# Altium PCB EVK-IRIS-W1.PcbDoc (part 7 of 9) (continued)
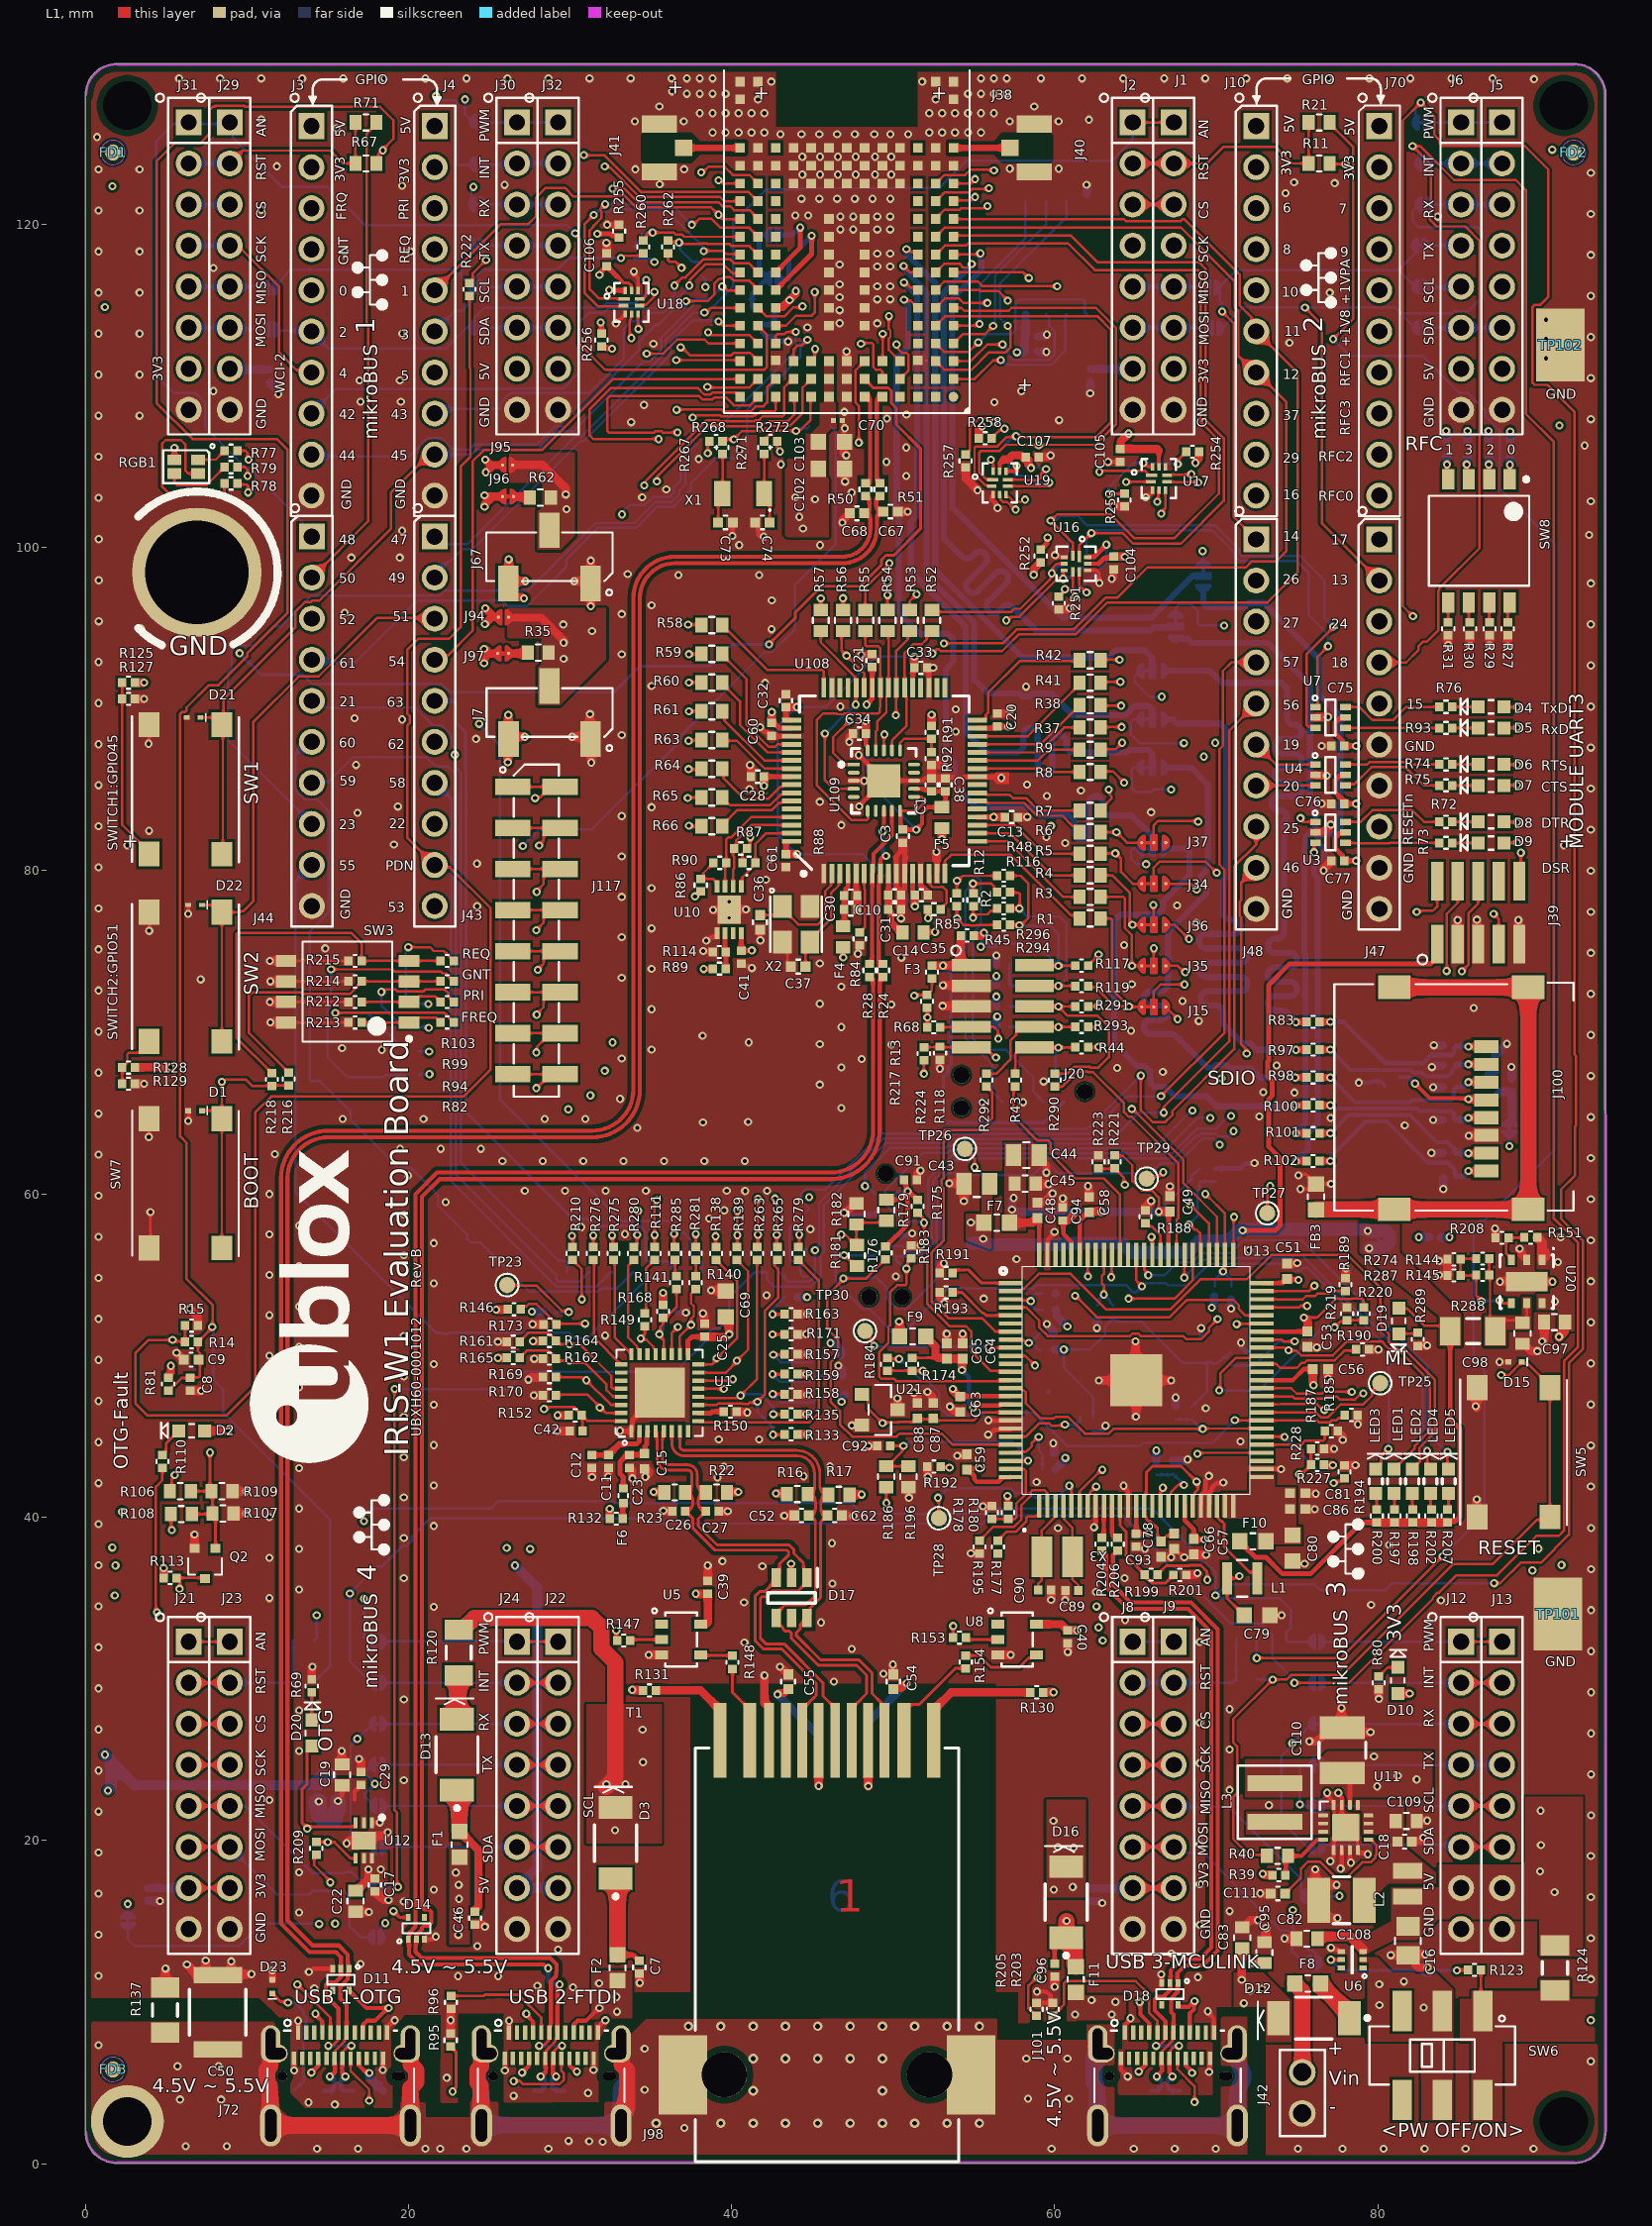
[diagram p0: L1 view]
## Nets (pads, with @x,y where several pads share a name; then routed paths per layer and width w, separated by ;. In a path a pad name is that pad's centre, name@x,y a point inside that pad or via, vN(x,y) a via of type N, cw(c..) or ccw(c..) an arc to the next point about the centre after c; other vN are vias at no path point) (continued)
  L6 w0.277: v1(54.253,49.098) 54.685,48.666 54.685,47.059 54.943,46.801 v1(54.943,46.781)
MDC: R135.1 R263.1 U1.12 | length 15
  L1 w0.152: U1.12@37.937,47.44 37.991,47.386 38.307,47.386 38.33,47.362 40.312,47.362 40.464,47.515 v1(40.56,47.515) 41.583,48.538 R263.1@41.583,55.913 R263.1@41.525,55.855 ; v1(42.583,46.357) R135.1@43.272,46.357
  L6 w0.152: v1@40.722,47.6 41.388,47.6 41.403,47.614 41.801,47.614 42.575,46.84 42.575,46.365 v1(42.583,46.357)
MDIO: R133.1 R265.1 U1.11 | length 16.4
  L1 w0.152: U1.11@37.937,46.94 39.086,46.94 39.172,47.025 40.679,47.025 40.697,47.007 41.043,47.007 41.119,47.083 41.551,47.083 42.071,47.603 42.071,48.614 42.053,48.632 42.053,52.741 42.874,53.561 42.874,55.34 42.67,55.543 42.67,55.731 R265.1@42.853,55.913 ; v1(42.559,45.096) 43.249,45.096 R133.1@43.277,45.125
  L6 w0.152: v1(41.602,47.134) 41.602,46.524 42.547,45.579 42.547,45.109 v1(42.559,45.096)
ML_USB1_D_n: R206.2 U13.35 | length 2.2
  L1 w0.255: U13.35@63.541,40.702 63.541,39.093 ccw(c63.905,39.093) R206.2@63.905,38.729
ML_USB1_D_p: R204.2 U13.34 | length 2.1
  L1 w0.255: R204.2@62.901,38.729 ccw(c62.901,38.869) 63.041,38.869 U13.34@63.041,40.702
MLINK_3V3: C43.1 C91.1 D19.2 F7.1 F9.1 F10.1 J33.1 J39.1 R175.2 R176.2 R178.2 R179.2 R197.1 R198.1 R200.1 R202.1 R207.1 R211.1 R288.2 TP17.1 | length 139.6
  L1 w0.152: D19.2@81.289,52.938 81.336,52.891 81.829,52.891 82.887,51.833 R288.2@84.413,51.833
  L1 w0.277: R176.2@49.528,56.744 49.543,56.744 50.899,58.099 v1(50.899,60.164) ; R179.2@49.579,59.639 50.374,59.639 v1(50.899,60.164) ; C91.1@50.678,60.858 50.799,60.737 v1@50.799,60.326 ; R175.2@51.51,59.633 51.495,59.633 51.008,60.12 50.943,60.12 v1(50.899,60.164)
  L1 w0.305: v1@57.072,41.224 57.076,41.221 57.076,40.72 R178.2@57.111,40.684 ; F10.1@71.461,38.498 71.461,38.473 72.417,37.517 73.059,37.517 74.088,36.488 75.831,36.488 79.006,39.663 R200.1@79.93,39.663 ; v1(71.626,57.734) 73.66,57.734 73.953,58.027 73.953,62.2 73.228,62.925 73.228,65.844 73.449,66.065 73.449,66.986 73.182,67.253 73.182,68.174 73.228,68.22 73.228,72.91 74.55,74.231 83.274,74.231 83.666,74.624 J39.1@83.666,75.444 ; R207.1@84.316,39.663 84.399,39.746 84.804,39.746 85.08,40.022 85.08,45.449 84.474,46.055 R288.2@84.474,51.514
  L1 w0.508: F9.1@50.405,51.181 v1@50.405,52.108 ; R200.1@79.93,39.663 R197.1@81.024,39.663 R198.1@82.167,39.663 R202.1@83.31,39.663 R207.1@84.316,39.663
  L1 w0.8: F7.1@55.572,58.17 F7.1@55.61,58.208
  L3 w0.15: v1(70.317,67.139) 70.774,66.683 70.436,66.346 70.436,63.488 71.626,62.298 v1(71.626,57.734)
  L3 w0.277: v1@50.899,60.198 51.84,60.198 52.907,59.131 53.912,59.131 v1(54.81,58.234)
  L4 w0.152: v1(50.368,52.102) 52.599,49.871 52.599,43.266 54.565,41.3 v1(57.072,41.3)
  L4 w0.508: v1(50.368,52.102) 54.512,52.102 54.81,52.4 v1(54.81,58.234)
  L6 w0.277: J33.1@50.163,59.969 50.263,60.069 50.742,60.069 50.836,60.164 v1(50.899,60.164)
  L6 w0.8: 54.886,56.947 55.572,56.947 55.673,56.845 60.324,56.845 60.426,56.947 64.159,56.947 64.734,56.372 68.237,56.372 68.956,57.091 70.749,57.091 71.468,57.81 79.261,57.81 v1(79.371,57.7) 80.49,57.7 80.715,57.475 80.715,56.993 80.49,56.768 80.164,56.768 80.021,56.625 v1(79.453,56.625)
  other v1: 55.572,57.218
MLINK_FB: C66.1 C78.1 C79.1 L1.1 U13.39 U13.45 | length 21.5
  L1 w0.178: C66.1@67.332,38.916 67.273,38.856 66.929,38.856 C78.1@66.572,38.499 66.361,38.71 66.361,39.302 65.924,39.738 65.807,39.738 65.667,39.878 65.667,39.986 65.541,40.112 U13.39@65.541,40.702 65.541,41.292 65.667,41.418 65.667,42.771 66.053,43.157 67.814,43.157 v1(68.782,42.189) ; U13.45@68.541,40.702 68.541,41.292 68.667,41.418 68.667,41.526 68.858,41.717 v1@68.858,42.206 ; v1(71.423,36.347) 71.334,36.347 71.198,36.211 L1.1@70.668,36.211 70.668,34.973 71.304,34.336 71.329,34.336 71.715,33.95 C79.1@71.715,33.925
  L3 w0.178: v1(68.782,42.189) 68.782,42.1 70.661,40.22 70.661,37.109 v1(71.423,36.347)
MLINK_LX: L1.2 U13.48 | length 5.7
  L1 w0.178: U13.48@70.041,40.702 70.087,40.656 70.087,39.958 70.167,39.878 70.308,39.737 70.345,39.737 70.487,39.595 70.487,38.159 70.887,37.759 72.061,36.585 72.312,36.585 72.534,36.363 L1.2@72.534,36.211
MODUSB-D_n: C67.1 D11.1 J72.A7 J72.B7 R51.1 TP141.1 | length 135.4
  L1 w0.178: J72.B7@15.472,6.591 15.472,6.995 15.9,7.423 15.91,7.423 16.05,7.563 16.05,7.671 16.176,7.797 J72.A7@16.176,8.112
  L1 w0.255: v1@15.237,5.437 15.454,5.655 15.454,6.219 15.426,6.247 J72.B7@15.426,6.512 ; J72.A7@16.176,8.112 16.176,9.822 15.797,10.2 15.797,10.946 16.25,11.399 16.25,11.907 16.3,11.957 D11.1@16.3,12.054 ; D11.1@16.25,12.054 16.25,12.933 15.685,13.498 14.056,13.498 12.519,15.035 12.519,60.96 cw(c15.061,60.96) 15.061,63.501 31.38,63.501 ccw(c31.38,66.446) 34.325,66.446 34.325,96.851 cw(c36.484,96.851) 36.484,99.01 46.839,99.01 ccw(c46.839,101.167) 48.996,101.167 48.996,101.823 cw(c49.382,101.823) C67.1@49.382,102.209 49.349,102.209 cw(c49.349,102.615) 48.943,102.615 48.943,102.926 cw(c49.197,102.926) R51.1@49.197,103.18
  L6 w0.255: TP141.1@14.768,4.5 15.142,4.5 ccw(c15.142,4.775) 15.417,4.775 15.417,5.105 ccw(c15.137,5.105) v1(15.137,5.385)
MODUSB-D_p: C68.1 D11.2 J72.A6 J72.B6 R50.1 TP142.1 | length 138
  L1 w0.178: v1@15.047,7.277 15.111,7.341 15.354,7.341 15.63,7.617 15.63,8.098 J72.A6@15.634,8.102 ; J72.B6@15.93,6.548 15.93,6.92 16.224,7.214 16.407,7.214 v1@16.47,7.277
  L1 w0.255: J72.A6@15.676,8.112 15.676,9.584 14.895,10.364 14.895,11.044 15.058,11.207 15.485,11.207 15.845,11.567 15.845,12.032 D11.2@15.823,12.054 15.823,12.788 15.517,13.093 13.888,13.093 12.114,14.867 12.114,60.96 cw(c15.061,60.96) 15.061,63.906 31.38,63.906 ccw(c31.38,66.446) 33.92,66.446 33.92,96.851 cw(c36.484,96.851) 36.484,99.415 46.839,99.415 ccw(c46.839,101.167) 48.591,101.167 48.591,101.717 ccw(c48.205,101.717) C68.1@48.205,102.103 ccw(c48.205,102.436) 48.538,102.436 48.538,102.926 ccw(c48.283,102.926) R50.1@48.283,103.18 ; J72.B6@15.926,6.512 15.926,6.247 15.897,6.219 15.897,5.523 v1@16.051,5.369
  L6 w0.178: v1@15.047,7.277 v1@16.47,7.277
  L6 w0.255: v1(16.102,5.385) ccw(c16.102,5.105) 15.822,5.105 15.822,4.775 ccw(c16.097,4.775) 16.097,4.5 TP142.1@16.598,4.5
  other v1: 15.047,7.287 16.47,7.287
MUSB-D_n: J38.E1 R51.2 | length 5.7
  L1 w0.255: R51.2@49.197,103.98 cw(c49.197,104.194) 48.983,104.194 48.983,108.964 cw(c49.331,108.964) J38.E1@49.331,109.312
MUSB-D_p: J38.F1 R50.2 | length 5.7
  L1 w0.255: J38.F1@48.231,109.312 cw(c48.231,108.964) 48.578,108.964 48.578,104.276 cw(c48.283,104.276) R50.2@48.283,103.98
MUSB-ID: D23.1 J38.F2 Q2.1 R106.1 R107.1 R108.2 R109.2 TP22.1 | length 173.9
  L1 w0.178: R106.1@6.539,41.597 6.545,41.602 R109.2@7.816,41.602 ; R108.2@6.604,40.183 7.839,40.183 R107.1@7.881,40.225 ; v1(7.72,43.993) 7.72,41.699 R109.2@7.816,41.602 ; Q2.1@8.063,38.051 8.063,40.043 R107.1@7.881,40.225 ; D23.1@11.582,10.527 11.582,10.522 12.085,10.02 12.483,10.02 v1(12.546,9.957) ; v1@42.338,94.022 43.956,95.64 43.956,95.974 45.574,97.592 47.947,97.592 49.269,98.914 49.269,99.219 49.557,99.508 50.053,99.508 51.687,101.143 51.687,106.107 50.189,107.605 50.189,108.617 49.892,108.913 49.892,109.689 49.708,109.873 48.77,109.873 48.442,110.201 J38.F2@48.231,110.412 ; R109.2@7.816,41.602 7.881,41.538 R107.1@7.881,40.225
  L3 w0.178: v1(7.72,43.993) 5.028,43.993 3.131,42.096 3.131,12.514 5.688,9.957 v1(12.546,9.957) ; v1@7.767,43.997 4.314,47.449 4.314,52.782 4.528,52.996 4.528,87.932 4.355,88.105 4.355,88.253 v1(9.549,93.447)
  L6 w0.178: v1(9.549,93.447) 10.87,92.126 13.473,92.126 14.057,91.542 22.056,91.542 22.564,91.034 32.718,91.034 34.325,92.641 38.664,92.641 40.02,93.997 v1(42.315,93.997) ; v1(12.546,9.957) 12.978,9.957 13.5,9.434 13.5,9.217 13.674,9.043 13.674,8.635 13.5,8.461 13.5,5.425 13.537,5.389 13.537,5.098 TP22.1@12.938,4.5
MUSB-OTG_VBUS: D11.5 F1.1 J14.2 J72.A4 J72.A9 J72.B4 J72.B9 R122.2 TP1.1 | length 36.7
  L1 w0.254: v1@14.019,5.649 14.418,6.049 14.418,6.504 J72.B9@14.426,6.512 ; v1(14.248,9.271) 14.248,9.213 14.668,8.793 J72.A4@14.668,8.057 ; D11.5@16.323,10.704 16.323,10.629 16.346,10.606 16.421,10.606 17.4,9.627 v1@18.724,9.627 ; J72.B4@16.926,6.512 16.934,6.504 16.934,6.077 17.349,5.662 17.532,5.662 v1(17.581,5.613) ; J72.A9@17.176,8.112 17.184,8.12 17.184,8.597 17.426,8.839 17.936,8.839 v1@18.724,9.627 ; v1(18.775,9.627) v1@18.724,9.627
  L4 w0.508: v1(13.993,5.629) 14.407,6.043 17.151,6.043 v1(17.581,5.613) ; v1@14.005,5.647 14.386,6.028
  L5 w0.508: v1(13.993,5.629) 13.993,9.016 v1(14.248,9.271) ; v1(17.581,5.613) 17.581,8.433 v1(18.775,9.627)
  L6 w0.152: J14.2@2.638,14.698 2.638,14.523 2.638,13.885 3.041,13.482 9.533,13.482 10.902,14.85 v1@14.551,14.85
  L6 w0.508: v1(17.581,5.613) 17.581,5.348 TP1.1@18.428,4.5
  other v1: 23.089,14.148 14.474,14.825 15.465,14.85 23.089,15.392 23.138,16.383 23.112,17.247 22.935,18.009
NetC1_1: C1.1 C3.1 C34.1 C38.1 F5.2 U109.10 U109.11 U109.12 U109.20 | length 20.2
  L1 w0.15: U109.10@50.457,83.694 51.425,83.694 51.976,84.244 51.976,84.368 51.786,84.558 U109.11@51.293,84.558
  L1 w0.254: C34.1@48.308,88.48 48.308,87.779 48.425,87.662 U109.20@48.425,87.425 ; U109.10@50.457,83.694 50.457,82.673 C3.1@50.6,82.53 v1(51.432,82.53) 51.794,82.892 51.794,83.58 52.137,83.923 F5.2@53.013,83.923 53.242,84.152 C38.1@53.242,84.905 C1.1@52.378,84.905 52.298,84.986 51.893,84.986 51.82,85.059 U109.12@51.323,85.059
  L1 w0.508: C34.1@48.308,88.48 48.314,88.487 v1(48.314,89.242)
  L6 w0.15: v1(48.314,89.242) 48.363,89.194 48.363,86.079 48.995,85.447 48.995,84.967 v1(51.432,82.53)
NetC7_2: C7.2 D3.1 F2.2 | length 6.5
  L1 w0.152: C7.2@34.11,12.725 C7.2@34.294,12.541 C7.2@34.279,12.541
  L1 w0.305: F2.2@32.942,12.916 33.905,12.916 C7.2@34.279,12.541
  L1 w1.016: D3.1@32.823,17.633 32.942,17.513 F2.2@32.942,12.916
NetC10_1: C10.1 C30.1 F4.2 U108.4 | length 3.4
  L1 w0.305: F4.2@46.892,76.557 46.975,76.64 C30.1@46.975,77.584 C10.1@46.975,78.447 47.082,78.555 47.082,78.87 47.207,78.995 U108.4@47.207,79.809
NetC11_1: C11.1 C12.1 U1.2 | length 3.9
  L1 w0.305: C12.1@31.342,43.834 32.363,43.834 C11.1@32.38,43.851 ; 33.316,44.518 34.124,44.518 34.302,44.696 U1.2@34.302,45.305
  L1 w0.406: C11.1@32.38,43.851 32.395,43.851 33.062,44.518 33.316,44.518
NetC14_1: C14.1 C31.1 F3.2 U108.9 | length 4.1
  L1 w0.305: C14.1@49.692,78.473 49.707,78.473 U108.9@49.707,79.809
  L1 w0.406: C14.1@49.707,78.473 49.707,77.624 C31.1@49.692,77.609 49.692,77.594 49.879,77.407 49.879,77.299 49.879,76.786 50.257,76.408 50.414,76.408 50.414,76.333 F3.2@50.585,76.161
NetC15_1: C15.1 C23.1 F6.2 U1.3 | length 5
  L1 w0.305: F6.2@33.296,41.767 33.296,42.477 33.107,42.666 33.107,43.436 33.414,43.743 33.577,43.743 C23.1@33.684,43.851 34.632,43.851 34.639,43.858 34.639,44.39 34.757,44.508 34.757,44.934 34.78,44.956 34.78,45.282 U1.3@34.802,45.305
NetC17_1: C17.1 C22.2 R122.1 U12.5 U12.6 | length 1.7
  L1 w0.508: C22.2@16.727,16.881 16.802,16.881 17.522,17.601 v1(17.522,18.203)
  other v1: 18.295,18.198
NetC18_1: C18.1 C108.1 C109.1 L2.2 U11.10 U11.11 U11.12 U11.13
NetC19_2: C19.2 C29.1 R121.2 U12.2 | length 5.5
  L1 w0.178: v1(15.647,22.427) 15.647,22.51 15.882,22.745
  L1 w0.254: 15.899,22.762 C19.2@15.899,23.404 ; 16.661,22.522 16.661,23.019 16.919,23.277 16.919,23.292 17.052,23.425 C29.1@17.067,23.425
  L6 w1.016: 14.315,22.114 v1@14.315,22.405 ; v1(14.453,22.401) 14.453,21.586 14.719,21.32 15.453,21.32 15.453,21.721 15.647,21.915 v1(15.647,22.427)
NetC32_1: C32.1 C33.1 C35.1 C61.1 U108.12 U108.37 U108.49 U108.64 | length 35
  L1 w0.305: C61.1@43.361,81.006 43.361,81.807 43.364,81.809 U108.64@43.707,81.809 ; C32.1@43.361,90.112 43.361,89.312 43.364,89.309 U108.49@43.707,89.309 ; U108.12@51.207,79.809 51.207,78.774 51.236,78.745 51.236,78.58 C35.1@51.343,78.473 ; U108.37@51.207,91.309 51.207,92.444 C33.1@51.307,92.544
  L1 w0.508: C61.1@43.361,81.006 43.37,81.015 v1(44.047,81.015) ; C32.1@43.361,90.112 v1(44.047,90.112) ; C33.1@51.307,92.544 v1(51.307,93.23) ; v1(51.343,77.787) C35.1@51.343,78.473
  L6 w0.15: v1(51.307,93.23) 48.927,93.23 45.809,90.112 v1(44.047,90.112) 42.867,88.932 42.867,82.195 v1(44.047,81.015) 48.115,81.015 v1(51.343,77.787)
NetC36_1: C36.1 U108.2 X2.1 | length 7.8
  L1 w0.15: C36.1@41.761,77.246 42.646,77.246 X2.1@43.146,77.746 ; X2.1@43.146,77.769 X2.1@43.146,77.746 ; U108.2@46.207,79.809 46.155,79.757 46.155,79.082 45.786,78.712 45.786,77.112 45.343,76.669 44.121,76.669 43.146,77.644 X2.1@43.146,77.746
NetC37_1: C37.1 U108.3 X2.3 | length 6.6
  L1 w0.15: C37.1@44.573,74.053 44.573,75.296 X2.3@44.846,75.569 44.846,75.694 46.155,77.003 46.155,78.6 46.638,79.082 46.638,79.74 U108.3@46.707,79.809
NetC46_2: C46.2 D13.1 F1.2 | length 8.2
  L1 w0.508: F1.2@23.147,20.568 23.166,20.568 24.332,19.403 24.332,15.893 24.149,15.711 24.149,15.595 24.143,15.589 C46.2@24.128,15.589
  L1 w1.016: D13.1@23.003,23.098 23.147,22.954 F1.2@23.147,20.568
NetC54_1: C54.1 T1.4 | length 11.1
  L1 w0.508: T1.4@48.452,26.186 48.452,23.327 v1@48.462,23.317 ; C54.1@50.011,29.363 50.067,29.419 50.499,29.419 v1@50.748,29.667
  L6 w0.508: v1(48.465,23.36) 48.465,27.348 v1(50.837,29.719)
NetC55_1: C55.1 T1.7 | length 10.3
  L1 w0.508: v1@42.874,29.058 42.924,29.108 43.254,29.108 C55.1@43.509,29.363 ; v1(45.392,23.372) T1.7@45.392,26.186
  L6 w0.508: v1(42.848,29.032) 45.392,26.488 v1(45.392,23.372)
NetC95_2: C95.2 D18.5 F11.2 J101.A4 J101.A9 J101.B4 J101.B9 | length 25.2
  L1 w0.254: v1@65.226,5.71 65.593,6.077 65.593,6.504 J101.B9@65.601,6.512 ; v1(65.251,10.008) 65.3,9.959 65.3,9.222 65.843,8.679 65.843,8.12 J101.A4@65.851,8.112 ; D18.5@67.631,9.815 67.631,9.74 67.654,9.717 67.788,9.717 67.802,9.703 68.299,9.703 v1@68.606,10.01 ; J101.B4@68.101,6.512 68.109,6.504 68.109,6.077 v1@68.454,5.733 ; J101.A9@68.356,8.112 68.351,8.117 68.351,9.28 68.606,9.535 v1@68.606,10.01 ; v1(68.655,10.058) v1@68.606,10.01
  L1 w0.508: v1(72.233,12.406) C95.2@72.973,12.406 C95.2@72.978,12.406
  L4 w0.508: v1@65.212,5.707 65.593,6.088 68.112,6.088 v1@68.502,5.698
  L5 w0.508: v1(65.2,5.69) 65.48,5.969 65.48,9.779 v1(65.251,10.008) ; v1(68.502,5.613) 68.502,9.906 71.002,12.406 v1(72.233,12.406)
  other v1: 61.263,9.22 63.524,9.22 63.752,10.008 62.279,10.109
NetC98_1: C98.1 R144.2 R145.2 R288.1 U20.5 | length 8
  L1 w0.152: R144.2@86.882,55.984 R145.2@86.882,54.98 86.941,54.922 86.941,51.847 R288.1@87.274,51.514 87.274,51.764 87.698,52.188 89.073,52.188 89.209,52.324 U20.5@89.209,53.226
NetC111_1: C111.1 U11.9 | length 9
  L1 w0.152: C111.1@74.261,16.713 75.233,17.686 75.233,18.237 75.679,18.683 76.409,18.683 77.318,17.774 78.162,17.774 79.032,18.644 79.551,18.644 79.851,18.944 79.851,19.071 79.9,19.12 79.9,19.724 79.583,20.041 U11.9@79.413,20.041
NetD4_1: D4.1 R76.2 | length 1.6
  L1 w0.15: R76.2@84.606,90.124 D4.1@86.2,90.124
NetD5_1: D5.1 R93.2 | length 1.6
  L1 w0.15: R93.2@84.606,88.824 D5.1@86.2,88.824
NetD6_1: D6.1 R74.2 | length 1.6
  L1 w0.15: R74.2@84.606,86.568 D6.1@86.2,86.568
NetD7_1: D7.1 R75.2 | length 1.6
  L1 w0.15: R75.2@84.606,85.268 D7.1@86.2,85.268
NetD8_1: D8.1 R72.2 | length 1.6
  L1 w0.15: R72.2@84.606,83.012 D8.1@86.2,83.012
NetD9_1: D9.1 R73.2 | length 1.6
  L1 w0.15: R73.2@84.606,81.712 D9.1@86.2,81.712
NetD10_1: D10.1 R80.2 | length 1.4
  L1 w0.15: R80.2@80.047,30.148 80.062,30.148 80.247,30.333 80.247,30.34 80.603,30.696 D10.1@81.228,30.696
NetD12_1: D12.1 F8.2 | length 3.3
  L1 w1.016: F8.2@76.455,11.142 76.455,11.038 78.051,9.442 78.051,8.756 D12.1@78.243,8.564
NetD13_2: D13.2 R120.1 | length 2.8
  L1 w1.016: D13.2@23.003,27.498 23.058,27.553 23.058,30.155 R120.1@23.112,30.21
NetD14_5: D14.5 F2.1 J98.A4 J98.A9 J98.B4 J98.B9 | length 32.7
  L1 w0.208: v1@19.099,15.596 19.466,15.229 D14.5@19.996,15.229
  L1 w0.254: v1@27.063,5.649 27.463,6.049 27.463,6.504 J98.B9@27.471,6.512 ; v1(27.293,9.271) 27.293,9.213 27.713,8.793 J98.A4@27.713,8.057 ; J98.B4@29.971,6.512 29.979,6.504 29.979,6.077 v1@30.394,5.662 ; J98.A9@30.221,8.112 30.229,8.12 30.229,8.597 30.471,8.839 30.981,8.839 v1@31.769,9.627 ; 31.769,9.909 v1@31.769,9.627 ; v1(31.819,9.627) v1@31.769,9.627
  L3 w0.508: v1(19.074,15.621) 19.222,15.473 19.222,14.586 18.611,13.975 18.611,12.698 20.362,10.947 25.616,10.947 v1(27.293,9.271)
  L4 w0.508: v1@27.081,5.707 27.462,6.088 29.982,6.088 v1@30.372,5.698
  L5 w0.508: v1@27.103,5.689 27.293,5.879 v1(27.293,9.271) ; v1@27.365,9.271 27.365,10.024 ; v1(30.428,5.69) 30.428,9.772
  other v1: 27.038,5.629 32.906,9.398 32.881,10.312 31.801,11.151
NetD19_1: D19.1 R289.2 | length 1.3
  L1 w0.152: D19.1@81.289,51.338 81.308,51.356 82.51,51.356 R289.2@82.529,51.376
NetD20_1: D20.1 R69.2 | length 1.7
  L1 w0.178: R69.2@14.019,29.145 14.019,27.47 D20.1@14.045,27.445
NetD20_2: D20.2 Q2.3 R113.2 U12.3 | length 32.8
  L1 w0.178: v1@5.866,35.537 5.866,35.947 5.825,35.987 5.825,36.066 R113.2@5.654,36.237 7.377,36.237 Q2.3@7.413,36.201 ; D20.2@14.045,25.845 13.733,25.533 13.733,25.436 13.727,25.429 13.727,23.471 13.41,23.153 13.41,21.097 13.74,20.767 v1(13.74,20.726) 13.863,20.85 16.707,20.85 16.743,20.886 U12.3@16.743,21.086
  L3 w0.178: v1(5.84,35.56) 5.366,35.086 5.366,24.121 6.321,23.167 11.426,23.167 12.551,22.042 12.551,21.915 v1(13.74,20.726)
NetF6_1: F6.1 R132.2 | length 1
  L1 w0.305: R132.2@33.266,39.903 33.266,40.837 F6.1@33.296,40.867
NetF8_1: F8.1 J42.2 | length 5.7
  L1 w1.016: F8.1@74.855,11.142 75.314,10.683 J42.2@75.314,5.648
NetFB3_2: FB3.2 J100.9 | length 35.2
  L1 w1.016: FB3.2@76.176,59.014 76.191,59.03 J100.9@81.003,59.03 ; J100.9@81.203,59.03 J100.9@89.303,59.03 ; J100.9@81.203,72.78 J100.9@89.303,72.78 ; J100.9@89.503,59.03 J100.9@89.303,59.03 ; J100.9@89.503,72.78 J100.9@89.303,72.78 ; J100.9@89.303,59.03 J100.9@89.303,72.78
NetJ14_1: J14.1 J38.E3 | length 170.2
  L1 w0.152: J38.E3@49.331,111.512 49.351,111.532 v1(49.351,113.208)
  L3 w0.152: v2(2.638,16.065) 2.638,16.161 1.599,17.201 1.599,22.589 1.886,22.877 1.886,30.721 1.295,31.312 1.295,31.735 1.302,31.741 1.302,37.219 1.118,37.403 1.118,39.177 1.317,39.377 1.317,113.404 1.118,113.603 1.118,114.082 1.696,114.66 1.696,115.058 1.472,115.282 1.472,117.089 3.861,119.479 3.861,125.663 6.602,128.405 30.674,128.405 40.181,118.897 44.658,118.897 44.757,118.798 45.155,118.798 45.255,118.897 48.133,118.897 48.537,118.494 48.537,113.659 48.818,113.378 49.084,113.378 49.254,113.208 v1(49.351,113.208)
  L6 w0.152: J14.1@2.638,15.374 v2(2.638,16.065)
NetJ38_L5: J38.L5 R222.2 | length 32.2
  L1 w0.15: R222.2@23.782,116.361 23.797,116.361 23.982,116.546 23.982,116.95 v1(24.808,117.776)
  L1 w0.152: J38.L5@42.731,113.712 43.371,113.712 43.988,114.329 44.962,114.329 45.148,114.515 v1(45.148,115.797)
  L3 w0.152: v1(24.808,117.776) 24.808,118.202 26.3,119.694 26.663,119.694 27.995,121.027 27.995,121.723 28.994,122.722 32.783,122.722 36.005,119.5 36.005,118.874 37.074,117.805 43.14,117.805 v1(45.148,115.797)
NetJ56_1: J56.1 U17.2 | length 25.5
  L1 w0.152: v1(64.413,104.038) 64.423,104.048 65.933,104.048 U17.2@65.943,104.058
  L3 w0.15: v1(64.413,104.038) 66.229,104.038 68.371,101.896 68.371,100.191 68.268,100.088 68.268,88.157 v1(67.994,87.884)
  L6 w0.15: J56.1@65.296,89.362 64.9,89.362 64.704,89.165 64.704,89.041 64.718,89.027 64.718,88.417 65.251,87.884 v1(67.994,87.884)
NetJ57_1: J57.1 U17.1 | length 30.8
  L1 w0.152: v1(62.762,104.673) 62.83,104.741 63.027,104.741 63.029,104.743 65.581,104.743 65.714,104.61 65.714,104.496 65.752,104.458 U17.1@65.994,104.458
  L3 w0.152: v1(62.762,104.673) 63.596,103.839 63.933,103.839 64.214,103.558 65.412,103.558 65.591,103.737 66.104,103.737 67.105,102.736 67.105,85.281 67.139,85.247 67.139,85.082 v1(67.207,85.014)
  L6 w0.15: J57.1@65.296,86.362 64.872,86.362 64.776,86.266 64.776,85.082 64.997,84.861 65.977,84.861 66.13,85.014 v1(67.207,85.014)
NetJ72_A5: J72.A5 R108.1 | length 40.3
  L1 w0.178: R108.1@5.304,40.183 5.304,39.246 v1(5.358,39.192) ; v1(13.13,11.074) 13.141,11.074 15.176,9.04 J72.A5@15.176,8.112
  L3 w0.178: v1@5.383,39.268 3.95,37.836 3.95,15.375 8.251,11.074 v1(13.13,11.074)
NetJ72_B5: J72.B5 R106.2 | length 53.6
  L1 w0.15: R106.2@5.239,41.597 5.358,41.715 5.358,42.329 5.536,42.507 v1(5.536,42.596) ; J72.B5@16.426,6.512 16.426,5.739 17.575,4.589 v1(17.575,3.896) v1@17.575,3.861
  L3 w0.15: v1@5.409,42.647 3.637,40.875 3.637,14.154 7.03,10.76 12.42,10.76 13.769,9.411 13.769,9.073 14.472,8.369 14.472,5.372 15.949,3.896 v1(17.575,3.896)
NetJ96_2: J96.2 R62.1 | length 1.1
  L1 w0.508: J96.2@26.494,103.115 R62.1@27.581,103.115
NetJ97_2: J97.2 R35.2 | length 1.2
  L1 w0.508: J97.2@26.24,93.428 27.327,93.428 R35.2@27.388,93.489
NetJ98_A5: J98.A5 R96.2 | length 7.1
  L1 w0.178: R96.2@22.631,10.374 24.671,10.374 24.736,10.439 25.376,10.439 25.387,10.45 25.795,10.45 25.805,10.439 26.821,10.439 28.221,9.04 J98.A5@28.221,8.112
NetJ98_B5: J98.B5 R95.1 | length 12.2
  L1 w0.15: v1@26.516,5.131 26.54,5.107 26.895,5.107 27.097,4.906 29.345,4.906 29.626,5.187 29.626,5.583 29.471,5.739 J98.B5@29.471,6.512
  L1 w0.178: R95.1@22.612,7.237 22.627,7.237 22.798,7.066 22.798,7.051 22.962,6.887 22.962,4.731 22.74,4.509 v1(22.74,4.462)
  L3 w0.15: v1(22.74,4.462) 23.306,3.896 25.306,3.896 v1(26.516,5.105)
NetJ101_A5: J101.A5 R203.2 | length 10.6
  L1 w0.152: R203.2@59.881,9.15 59.896,9.15 60.08,9.334 60.08,9.349 60.195,9.464 60.25,9.464 60.382,9.597 60.382,9.651 60.57,9.839 60.57,11.163 60.702,11.295 65.005,11.295 65.85,10.45 65.85,9.329 66.351,8.827 J101.A5@66.351,8.112
NetJ101_B5: J101.B5 R205.1 | length 21.6
  L1 w0.152: R205.1@58.877,9.15 58.862,9.15 58.548,9.464 58.508,9.464 58.376,9.597 58.376,11.007 v1@58.901,11.532 ; J101.B5@67.601,6.512 67.601,5.836 68.655,4.782 v1(68.655,3.81)
  L3 w0.152: v1(58.926,11.506) 60.203,11.506 60.559,11.151 63.348,11.151 65.176,9.322 65.176,7.702 66.071,6.807 66.469,6.807 66.509,6.847 66.635,6.847 66.675,6.807 68.197,6.807 68.982,6.022 68.982,5.023 68.655,4.695 v1(68.655,3.81)
NetJ115_2: J115.2 J116.2 R126.1 | length 5.5
  L6 w0.301: R126.1@41.29,114.858 41.29,115.732 42.123,116.565 42.194,116.636 J115.2@42.292,116.636 ; 42.143,116.785 41.711,117.217 41.711,119.175 41.862,119.325 42.143,119.325 J116.2@42.292,119.325
NetJ117_1: J117.1 R58.2 | length 21.9
  L1 w0.15: J117.1@26.454,85.176 J117.1@28.799,85.176 ; v1(27.837,84.48) 27.905,84.549 28.172,84.549 J117.1@28.799,85.176 ; J117.1@29.384,85.176 J117.1@28.799,85.176 ; v1@37.436,95.216 38.103,95.216 R58.2@38.131,95.188
  L4 w0.15: v1(27.837,84.48) 27.837,89.176 29.719,91.058 33.703,91.058 37.311,94.666 v1(37.311,95.216)
NetJ117_2: J117.2 R59.2 | length 23.8
  L1 w0.15: J117.2@26.454,82.636 J117.2@28.799,82.636 ; v1@28.038,81.525 28.364,81.852 28.364,82.201 J117.2@28.799,82.636 ; J117.2@29.384,82.636 J117.2@28.799,82.636 ; v1@37.487,93.387 38.108,93.387 R59.2@38.131,93.41
  L4 w0.15: v1(28.091,81.551) 28.421,81.881 28.421,83.584 28.647,83.809 28.647,89.561 29.843,90.758 35.156,90.758 37.362,92.964 v1(37.362,93.387)
NetJ117_3: J117.3 R60.2 | length 25.8
  L1 w0.15: J117.3@26.454,80.096 J117.3@28.799,80.096 ; v1@27.962,78.757 28.364,79.159 28.364,79.661 J117.3@28.799,80.096 ; J117.3@29.384,80.096 J117.3@28.799,80.096 ; v1@37.436,91.635 38.128,91.635 R60.2@38.131,91.632
  L4 w0.15: v1(27.939,78.681) 28.372,79.114 28.372,81.154 28.947,81.729 28.947,89.437 29.968,90.458 36.185,90.458 v1(37.362,91.635)
NetJ117_4: J117.4 R61.2 | length 27.4
  L1 w0.15: J117.4@26.454,77.556 J117.4@28.799,77.556 ; v1@27.889,76.286 28.364,76.761 28.364,77.121 J117.4@28.799,77.556 ; J117.4@29.384,77.556 J117.4@28.799,77.556 ; v1@37.461,89.857 38.128,89.857 R61.2@38.131,89.854
  L4 w0.15: v1(27.916,76.311) 28.393,76.788 28.393,78.457 29.247,79.311 29.247,89.313 30.092,90.158 36.986,90.158 37.287,89.857 v1(37.362,89.857)
NetJ117_5: J117.5 R63.2 | length 29.2
  L1 w0.15: J117.5@26.454,75.016 J117.5@28.799,75.016 ; v1@28.013,73.88 28.364,74.232 28.364,74.581 J117.5@28.799,75.016 ; J117.5@29.384,75.016 J117.5@28.799,75.016 ; v1@37.461,88.053 38.108,88.053 R63.2@38.131,88.076
  L4 w0.15: v1(28.015,73.855) 29.547,75.386 29.547,89.041 29.635,89.129 36.236,89.129 v1(37.337,88.028)
NetJ117_6: J117.6 R64.2 | length 28.4
  L1 w0.15: J117.6@26.454,72.476 J117.6@28.799,72.476 ; v1@27.987,71.162 28.364,71.539 28.364,72.041 J117.6@28.799,72.476 ; J117.6@29.384,72.476 J117.6@28.799,72.476 ; v1@37.461,86.25 38.082,86.25 R64.2@38.131,86.298
  L4 w0.15: v1(27.939,71.086) 29.847,72.994 29.847,85.671 30.349,86.174 37.07,86.174 37.103,86.207 37.268,86.207 v1(37.337,86.275)
NetJ117_7: J117.7 R65.2 | length 29.4
  L1 w0.15: J117.7@26.454,69.936 J117.7@28.799,69.936 ; v1@27.962,68.8 27.962,69.099 J117.7@28.799,69.936 ; J117.7@29.384,69.936 J117.7@28.799,69.936 ; v1@37.411,84.523 38.128,84.523 R65.2@38.131,84.52
  L4 w0.15: v1(27.913,68.749) 27.959,68.795 27.959,69.081 30.147,71.269 30.147,84.574 30.527,84.954 36.829,84.954 v1(37.286,84.497)
NetJ117_8: J117.8 R66.2 | length 28.8
  L1 w0.15: J117.8@26.454,67.396 J117.8@28.799,67.396 ; v1@27.86,66.514 27.917,66.514 J117.8@28.799,67.396 ; J117.8@29.384,67.396 J117.8@28.799,67.396 ; v1@37.411,82.719 38.079,82.719 R66.2@38.137,82.661
  L4 w0.15: v1(27.921,66.539) 27.921,68.08 30.451,70.61 30.451,82.186 31.035,82.77 v1(37.362,82.77)
NetL3_1: L3.1 U11.1 U11.2 U11.3
NetLED1_2: LED1.2 R197.2 | length 1
  L1 w0.15: LED1.2@80.995,41.465 81.024,41.436 R197.2@81.024,40.463
NetLED2_2: LED2.2 R198.2 | length 1
  L1 w0.15: LED2.2@82.123,41.465 82.123,40.507 R198.2@82.167,40.463
NetLED3_2: LED3.2 R200.2 | length 1
  L1 w0.15: LED3.2@79.868,41.465 79.93,41.403 R200.2@79.93,40.463
NetLED4_2: LED4.2 R202.2 | length 1
  L1 w0.15: LED4.2@83.25,41.465 83.25,40.523 R202.2@83.31,40.463
NetLED5_2: LED5.2 R207.2 | length 1
  L1 w0.15: R207.2@84.316,40.463 84.377,40.524 LED5.2@84.377,41.465
NetR1_1: R1.1 U108.16 | length 10.9
  L1 w0.15: U108.16@53.207,79.809 53.207,80.59 53.592,80.975 57.275,80.975 61.022,77.229 61.341,77.229 R1.1@61.534,77.036
NetR3_1: R3.1 U108.17 | length 7.8
  L1 w0.15: U108.17@55.207,81.809 57.076,81.809 60.515,78.371 R3.1@61.534,78.371
NetR4_1: R4.1 U108.18 | length 7.4
  L1 w0.15: U108.18@55.207,82.309 57.211,82.309 59.815,79.705 R4.1@61.534,79.705
NetR5_1: R5.1 U108.19 | length 7.1
  L1 w0.15: U108.19@55.207,82.809 57.522,82.809 59.291,81.04 R5.1@61.534,81.04
NetR6_1: R6.1 U108.22 | length 7.2
  L1 w0.15: U108.22@55.207,84.309 55.657,84.309 55.782,84.184 58.106,84.184 58.902,83.388 60.477,83.388 61.116,82.749 61.234,82.749 61.534,82.449 R6.1@61.534,82.374
NetR7_1: R7.1 U108.23 | length 6.8
  L1 w0.15: U108.23@55.207,84.809 55.657,84.809 55.782,84.684 57.214,84.684 57.414,84.484 58.231,84.484 59.006,83.709 R7.1@61.534,83.709
NetR8_1: R8.1 U108.26 | length 6.4
  L1 w0.15: U108.26@55.207,86.309 59.283,86.309 59.493,86.1 R8.1@61.534,86.1
NetR9_1: R9.1 U108.27 | length 6.6
  L1 w0.15: U108.27@55.207,86.809 58.96,86.809 59.628,87.477 R9.1@61.534,87.477
NetR27_1: R27.1 SW8.8 | length 1.3
  L1 w0.15: R27.1@88.033,95.35 88.033,96.461 SW8.8@88.16,96.588
NetR29_1: R29.1 SW8.7 | length 1.2
  L1 w0.15: SW8.7@86.89,96.588 86.89,95.376 R29.1@86.915,95.35